# Allegro board MinnowMax_RevA1.brd (continued)
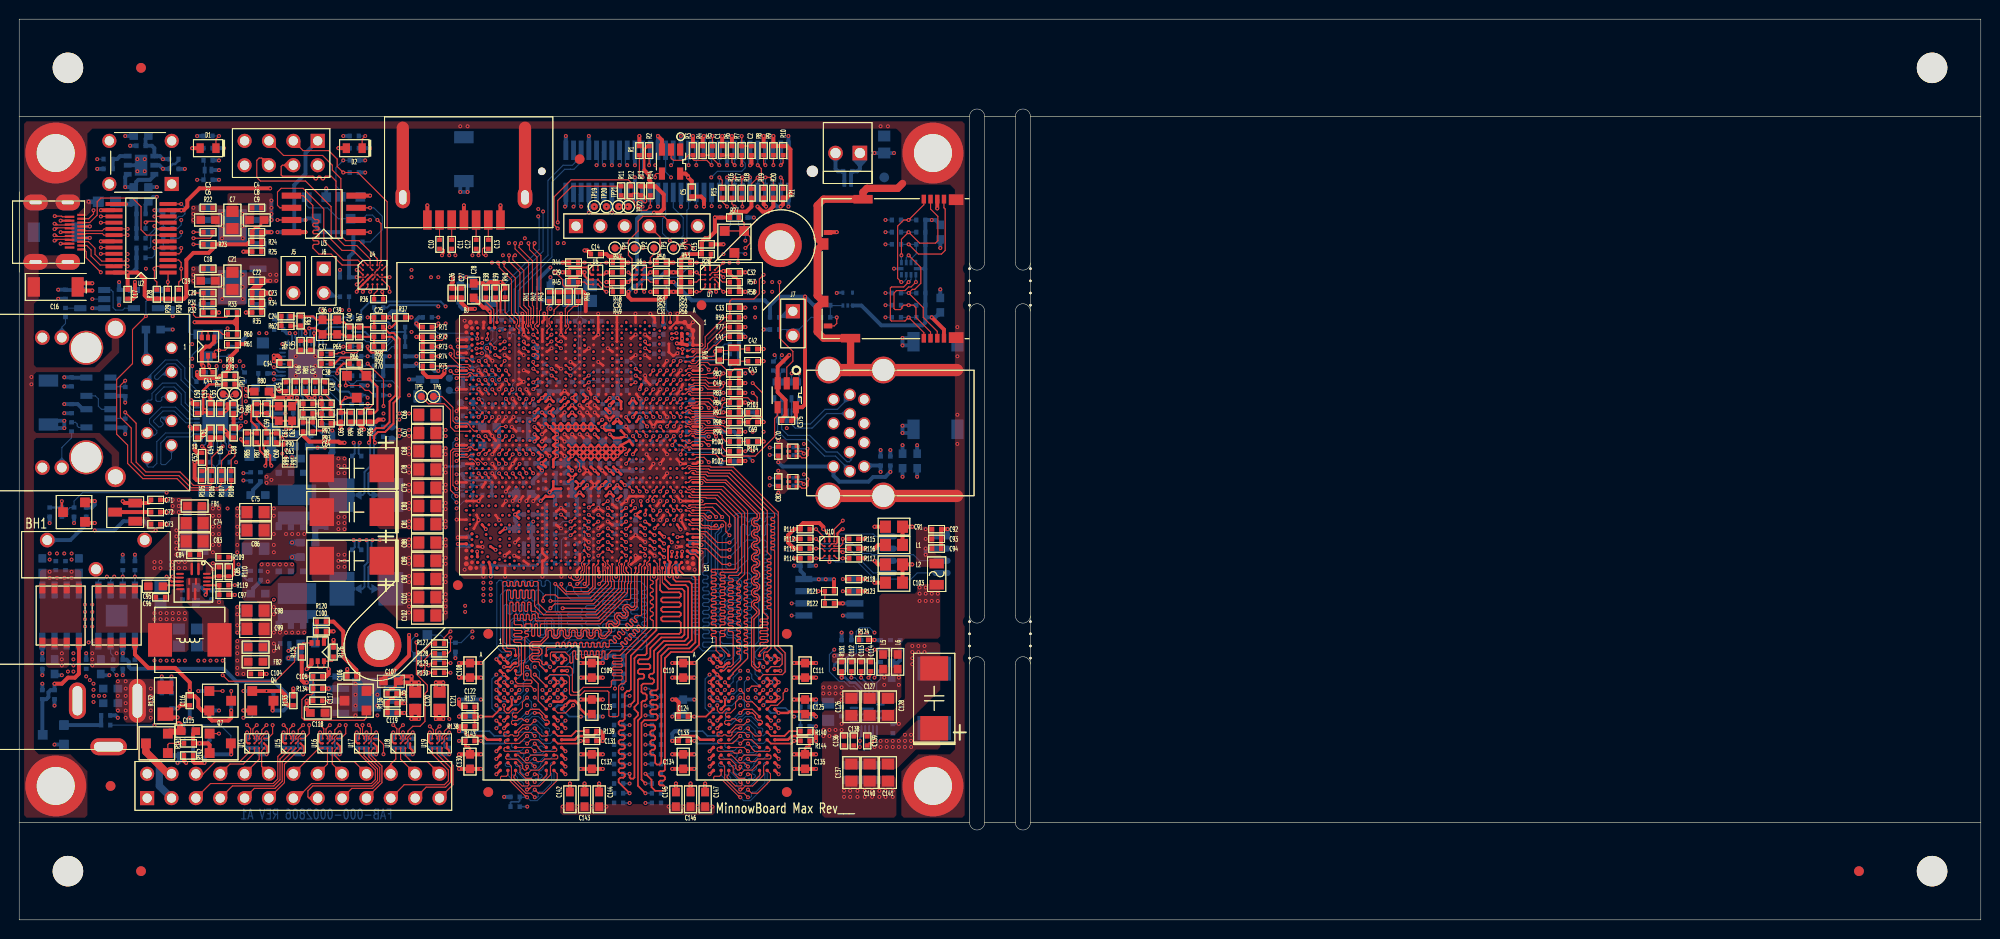
[diagram p0: board, top side]
## Routing (per net, layer and track width the routed paths; a pad name or vN(x,y) marks a point on that pad's centre or on a via; arc(x,y) is an arc through that point) (continued)
PMC_RSTBTN: length 50
  TOP w0.102: 45.09,59.69 45.34,59.44 45.34,58.8 45.52,58.62 46.79,58.62 47.18,58.23 CPU1.BG9
  TOP w0.114: C1.1 R6.1 74.3,79.03 v1(74.58,78.74) ; 45.09,59.69 v1(44.96,59.82)
  INT8(V) w0.102: v1(74.58,78.74) 73.31,80.01 59.94,80.01 55.37,75.44 55.37,73.41 54.1,72.14 52.07,72.14 48.89,68.96 48.89,66.42 44.96,62.48 v1(44.96,59.82)
  BOTTOM w0.114: J10.46 v1(74.58,78.74)
PMC_SLP_S0IX: length 2.8
  TOP w0.114: v1(68.24,54.37) CPU1.F18
  BOTTOM w0.102: TP10.1 69.47,54.1 69.22,53.85 68.76,53.85 v1(68.24,54.37)
PMC_SLP_S3_L: length 22
  TOP w0.114: U7.A3 72.51,67.81 72.9,68.19 73.02,68.19 v1(73.41,68.58) ; CPU1.D22 v1(68.24,51.47)
  INT8(V) w0.102: v1(73.41,68.58) 73.79,68.2 73.79,66.67 73,65.89 73,57.25 72.77,57.02 72.52,57.02 72.14,56.64 72.14,55.5 70.36,53.72 70.36,52.7 69.47,51.82 68.58,51.82 v1(68.24,51.47)
PMC_SLP_S4_L: length 21.2
  TOP w0.114: v1(73.41,67.06) 73.16,67.31 U7.B3 ; CPU1.F22 v1(67.53,51.47)
  INT8(V) w0.102: v1(73.41,67.06) 72.64,67.06 71.67,66.08 71.67,62.57 72.29,61.95 72.29,57.29 71.75,56.76 71.75,55.52 69.98,53.74 69.98,52.83 69.22,52.07 68.12,52.07 v1(67.53,51.47)
PMC_SUSCLK0: length 22.1
  TOP w0.114: U7.C3 72.88,66.44 72.88,66.06 v1(73.41,65.53) R58.1 ; v1(66.82,51.47) CPU1.G24
  INT8(V) w0.102: v1(66.82,51.47) 67.24,51.05 69.22,51.05 70.74,52.58 70.74,53.59 73.05,55.91 73.05,56.15 73.91,57.02 73.91,65.02 v1(73.41,65.53)
PS3_BST: length 2.2
  TOP w0.203: v1(19.43,33.91) 19.56,34.04 U13.10
  BOTTOM w0.406: v1(19.43,33.91) 19.43,34.26 19.02,34.67 R291.1
PS3_EN: length 5.2
  TOP w0.203: R109.1 22.15,37.85 22.4,37.59 22.4,36.05 22.2,35.85 R110.2 C85.1 20.32,35.85 20.18,35.71 U13.13
PS3_LDO: length 1.8
  TOP w0.203: U13.6 15.09,34.91 C95.2
PS3_VCC: length 2.3
  TOP w0.203: U13.11 20.84,34.91 R119.2 C97.1
PS3VSB_PHASE: length 1.9
  BOTTOM w0.406: v1(20.83,33.15) 20.83,34.16 20.61,34.38 C306.1
PS5VSB_VIN:
  vias: v1(20.19,42.93) v1(20.19,42.16) v1(20.19,41.02) v1(20.19,40.26) v1(20.19,39.12) v1(20.19,38.35) v1(20.83,42.93) v1(20.83,42.16) v1(20.83,41.02) v1(20.83,40.26) v1(20.83,39.12)
PS_OUT_L: length 92.9
  INT3(V) w0.102: v1(10.79,35.81) 11.43,36.45 11.43,42.29 16.89,47.75 16.89,58.93 v1(18.03,60.07)
  INT7(H) w0.102: v1(75.69,69.47) 75.31,69.09 75.31,67.69 73.79,66.17 70.48,66.17 69.22,64.9 39.75,64.9 38.48,63.63 35.81,63.63 35.43,63.25 24.38,63.25 23.88,62.74 20.7,62.74 v1(18.03,60.07)
  BOTTOM w0.114: U35.7 v1(10.79,35.81) R289.1 ; D10.3 75.56,69.6 v1(75.69,69.47)
PSGOOD: length 5.3
  TOP w0.114: Q1.2 19.68,57.91 v1(19.81,57.78) 19.81,57.51 20.16,57.16 C44.2
  BOTTOM w0.114: v1(19.81,57.78) 19.68,57.91 D11.3 21.94,58.8 R206.1
PSPUP: length 4.2
  TOP w0.114: 19.68,61.47 19.18,61.47 19.03,61.33 Q1.6 ; 19.68,61.47 Q1.5 ; 19.68,61.47 20.83,61.47 21.21,61.09 R60.2
PWM0: length 2.9
  TOP w0.114: U18.A1 39.25,16.78 38.73,16.26 JP1.22
PWM1: length 3.3
  TOP w0.114: JP1.24 39.76,16.76 U18.B1
PWR_BUF1: length 1.7
  TOP w0.203: R26.1 72.1,69.02 72.01,68.92 U7.A2
PWR_LEDR: length 2.1
  TOP w0.114: D1.1 20.51,81.47 v1(20.83,81.79)
  BOTTOM w0.114: R148.2 v1(20.83,81.79)
RC: length 1.9
  BOTTOM w0.406: R290.1 24.38,34.29 24.38,34.58 25.15,35.34 C296.2
RC_ENB: length 2
  TOP w0.406: 15.24,21.46 15.59,21.12 v1(16.51,21.12)
  BOTTOM w0.406: v1(16.51,21.12) C338.2
RCG: length 1.9
  BOTTOM w0.406: C270.2 25.15,45.63 24.38,44.86 24.38,44.58 R271.1
RESERVED_VSS6: length 10.3
  TOP w0.102: CPU1.BB5 v1(50.61,60.35)
  TOP w0.114: R72.1 43.4,60.45 44.07,60.45 v1(44.45,60.83)
  INT4(H) w0.102: v1(44.45,60.83) 45.1,60.19 46.24,60.19 47.64,58.78 48.62,58.78 49.2,59.36 49.2,59.87 49.68,60.35 v1(50.61,60.35)
RESERVED_VSS7: length 10.5
  TOP w0.114: CPU1.BB7 v1(50.61,59.64)
  INT4(H) w0.102: v1(43.69,60.83) 44.32,60.2 44.32,59.82 44.69,59.45 45.96,59.45 47.42,57.99 49.47,57.99 50.04,58.56 50.04,59.08 50.6,59.64 v1(50.61,59.64)
  BOTTOM w0.114: R192.1 v1(43.69,60.83)
RTCRST_L: length 93.7
  TOP w0.102: 71.75,57.02 71.63,56.9 70.18,56.9 69.97,57.11 69.73,57.11 69.44,56.82 CPU1.C12
  TOP w0.114: v1(72.64,57.47) 72.19,57.02 71.75,57.02
  INT4(H) w0.102: v1(15.37,44.58) 20.19,44.58 21.62,46 21.62,50.19 22.1,50.67 22.1,52.75 22.73,53.39 22.73,56.01 25.4,58.67 25.4,62.1 27.56,64.26 32.38,64.26 36.32,60.33 37.59,60.33 42.03,55.88 51.31,55.88 52.2,56.77 53.98,56.77 55.08,57.87 60.51,57.87 72.24,57.87 v1(72.64,57.47)
  BOTTOM w0.114: R279.2 4.83,42.07 5.08,42.32 5.08,42.8 5.3,43.02 C285.2 5.71,43.69 6.6,44.58 v1(15.37,44.58)
S5_ENBL: length 7
  TOP w0.406: Q4.B v1(25.78,23.88) 27.3,23.88 27.69,23.5 27.69,22.73 28.03,22.39 R133.2
  BOTTOM w0.406: Q10.D 26.5,23.66 26.29,23.88 v1(25.78,23.88)
S5_SEL: length 1.9
  BOTTOM w0.114: R307.1 U35.1
SATA0_RXN: length 18.1
  TOP w0.102: v1(47.88,69.34) 47.88,69.76 C12.2 ; CPU1.AV16 v1(52.16,54.37)
  INT3(V) w0.099: v1(47.88,69.34) 47.88,67.25 50.29,64.83 50.29,62.86 51.75,61.41 51.75,54.78 v1(52.16,54.37)
SATA0_RXN_C: length 2.1
  TOP w0.102: J3.5 C12.1
SATA0_RXP: length 18.1
  TOP w0.102: C13.2 48.8,70.1 48.39,70.1 48.29,70 48.29,69.44 48.39,69.34 v1(48.64,69.34) ; v1(52.18,55.36) CPU1.AU16
  INT3(V) w0.099: v1(48.64,69.34) 48.38,69.34 48.28,69.24 48.28,67.41 50.7,65 50.7,63.03 52.15,61.57 52.15,55.39 v1(52.18,55.36)
SATA0_RXP_C: length 2.1
  TOP w0.102: 48.9,73.03 C13.1
SATA0_TXN: length 12.9
  TOP w0.102: v1(44.83,69.34) 44.83,69.76 C11.2 ; CPU1.BG7 v1(48.23,59.12)
  INT3(V) w0.099: v1(44.83,69.34) 44.83,66.93 46.8,64.96 46.8,63.31 47.41,62.7 47.41,60.49 48.23,59.67 v1(48.23,59.12)
SATA0_TXN_C: length 2.1
  TOP w0.102: J3.3 C11.1
SATA0_TXP: length 13
  TOP w0.102: C10.2 44.22,70.01 44.32,69.91 44.32,69.6 v1(44.07,69.34) ; CPU1.BF6 v1(47.66,59.6)
  INT3(V) w0.099: v1(44.07,69.34) 44.43,68.98 44.43,66.76 46.4,64.79 46.4,63.14 47.01,62.53 47.01,60.32 47.71,59.62 47.69,59.6 v1(47.66,59.6)
SATA0_TXP_C: length 2.1
  TOP w0.102: J3.2 C10.1
SATA1_RXN: length 8.6
  TOP w0.102: CPU1.BA16 v1(50.73,55.36)
  BOTTOM w0.102: v1(50.73,55.36) 51.14,54.95 51.58,54.95 51.83,55.2 51.83,55.7 52.1,55.97 52.1,61.4 C177.2
SATA1_RXP: length 8.5
  TOP w0.102: v1(51.41,55.36) CPU1.AY16
  BOTTOM w0.102: C178.2 50.93,61.25 50.93,60.83 51.03,60.73 51.21,60.73 51.31,60.83 51.31,61.06 51.41,61.17 51.59,61.17 51.69,61.07 51.69,56.13 51.42,55.87 51.42,55.37 v1(51.41,55.36)
SATA1_TXN: length 4.9
  TOP w0.102: CPU1.BF10 v1(47.9,58.33)
  BOTTOM w0.102: C180.2 49.38,61.53 49.38,60.62 48.8,60.05 48.62,60.05 48.41,59.84 48.41,59.54 48.64,59.31 48.64,59.03 47.94,58.33 v1(47.9,58.33)
SATA1_TXP: length 5
  TOP w0.102: CPU1.BD10 v1(48.61,58.33)
  BOTTOM w0.102: C179.2 50.2,61.72 49.91,61.72 49.78,61.59 49.78,60.45 49.15,59.82 49.15,59.44 49.05,59.33 49.05,58.86 48.64,58.46 48.64,58.36 v1(48.61,58.33)
SATA_GP0: length 4.1
  TOP w0.114: CPU1.BA12 v1(50.02,56.35)
  BOTTOM w0.102: R220.2 47.4,56.71 48.71,56.71 48.99,56.99 49.69,56.99 50.02,56.66 v1(50.02,56.35)
SATA_GP1: length 5.5
  TOP w0.114: CPU1.AY14 v1(50.73,56.35)
  BOTTOM w0.102: R221.2 47.34,55.63 47.62,55.63 47.88,55.88 48.77,55.88 48.96,56.07 48.96,56.5 49.16,56.71 49.46,56.71 49.67,56.5 49.67,56.2 49.88,56 50.38,56 v1(50.73,56.35)
SATA_LED_B: length 21.5
  TOP w0.114: CPU1.AY12 v1(50.73,57.34)
  INT4(H) w0.102: v1(50.73,57.34) 50.73,57.34 50.09,56.69 46.18,56.69 45.97,56.9 41.7,56.9 37.64,60.96 37.05,60.96 v1(34.38,63.63)
  BOTTOM w0.114: v1(34.38,63.63) R179.1
SATA_LED_R: length 1.8
  BOTTOM w0.114: R179.2 32.13,65.02 J6.2
SATA_RCOMP_N: length 1.3
  TOP w0.102: CPU1.AT18 v1(53.58,54.37)
  BOTTOM w0.102: R239.1 53.58,53.83 v1(53.58,54.37)
SATA_RCOMP_P: length 1.3
  TOP w0.102: CPU1.AU18 v1(52.87,54.37)
  BOTTOM w0.102: R239.2 52.87,53.85 v1(52.87,54.37)
SCLK: length 3
  BOTTOM w0.114: R228.2 33.49,57.98 U27.5
SD3_1P8EN: length 3.9
  TOP w0.114: CPU1.BF22 v1(48.64,52.46)
  BOTTOM w0.114: TP12.1 46.74,53.21 47.5,53.21 47.88,52.83 48.26,52.83 48.63,52.46 v1(48.64,52.46)
SD3_CD#: length 45.9
  TOP w0.102: CPU1.BC24 50.16,51.47 v1(50.73,51.47)
  TOP w0.114: P2.10 84.96,61.97 85.22,62.23 v1(85.22,62.86)
  INT4(H) w0.102: v1(50.73,51.47) 51.2,51.94 51.69,51.94 53.85,54.1 55.63,54.1 56.4,54.87 61.35,54.87 61.47,54.99 72.9,54.99 73.24,55.33 76.54,55.33 76.83,55.63 76.83,56.52 78.74,58.42 80.52,58.42 84.96,62.86 v1(85.22,62.86)
  BOTTOM w0.114: U23.3 84.59,64.09 R182.2 R354.2 v1(85.22,62.86)
SD3_CLK: length 55.7
  TOP w0.114: CPU1.AY26 v1(51.45,50.48)
  INT4(H) w0.102: v1(51.45,50.48) 51.82,50.85 51.82,51.56 53.59,53.34 55.5,53.34 56.26,54.1 62.61,54.1 63.22,54.71 71.65,54.71 72.35,54.01 74.59,54.01 75.18,54.61 76.58,54.61 77.09,55.12 77.09,56.26 78.99,58.17 80.64,58.17 84.58,62.1 85.22,62.1 86.36,63.25 86.36,66.98 88.3,68.92 90.32,68.92 90.42,69.02 90.42,69.17 90.32,69.27 89.76,69.27 89.66,69.38 89.66,69.53 89.76,69.63 90.32,69.63 90.42,69.73 90.42,69.88 90.32,69.99 89.76,69.99 89.66,70.09 89.66,70.38 89.76,70.48 v1(90.3,70.48)
  BOTTOM w0.114: R160.2 v1(90.3,70.48)
SD3_CLK_R: length 13.5
  TOP w0.114: P2.5 96.4,74.3 96.52,74.17 96.52,69.85 96.14,69.47 93.73,69.47 v1(92.71,70.48)
  BOTTOM w0.114: R160.1 v1(92.71,70.48) R157.1 93.51,69.5 92.96,68.96 U22.8
SD3_CMD: length 55.8
  TOP w0.114: CPU1.AV28 v1(52.16,48.58)
  INT4(H) w0.102: v1(90.3,65.41) 89.64,65.41 89.53,65.51 89.53,67.56 89.65,67.68 90.7,67.68 90.81,67.58 90.81,63.88 90.42,63.5 87.76,63.5 85.6,61.34 84.58,61.34 80.98,57.73 79.58,57.73 77.52,55.68 77.52,54.41 76.45,53.34 73.15,53.34 72.64,52.83 63.75,52.83 63.6,52.68 63.6,52.32 62.34,51.05 53.47,51.05 52.96,50.55 52.96,49.78 52.16,48.98 v1(52.16,48.58)
  BOTTOM w0.114: R175.2 v1(90.3,65.41)
SD3_CMD_R: length 13.5
  TOP w0.114: P2.3 95.7,61.4 94.23,62.86 94.23,63.88 v1(92.71,65.41) 93.09,65.79 93.34,65.79 93.98,66.42 93.98,68.07 v1(92.71,69.34)
  BOTTOM w0.114: v1(92.71,69.34) 92.46,69.09 U22.7 ; R175.1 v1(92.71,65.41) R173.1
SD3_D0: length 56.6
  TOP w0.114: CPU1.AT28 v1(53.58,48.58)
  INT4(H) w0.102: v1(53.58,48.58) 53.58,49.13 53.94,49.49 57.11,49.49 57.53,49.91 64.77,49.91 65.03,50.17 65.03,50.67 65.47,51.12 71.95,51.12 72.39,51.56 75.69,51.56 77.98,53.85 77.98,55.12 79.38,56.52 81.27,56.52 81.64,56.88 81.64,57.63 84.58,60.58 89.66,60.58 91.57,62.48 91.57,70.48 v1(90.3,71.75)
  BOTTOM w0.114: R159.2 v1(90.3,71.75)
SD3_D0_R: length 13.4
  TOP w0.114: P2.7 95,74.17 95.76,73.41 95.76,70.87 95.5,70.61 93.85,70.61 v1(92.71,71.75) 91.96,71 v1(91.96,69.33)
  BOTTOM w0.114: R159.1 v1(92.71,71.75) R156.1 ; U22.6 v1(91.96,69.33)
SD3_D1: length 56.2
  TOP w0.114: v1(48.6,50.48) 49.02,50.05 CPU1.BD26
  INT4(H) w0.102: v1(48.6,50.48) 50.37,52.25 50.37,52.65 51.81,54.1 51.81,54.51 52.01,54.71 54.08,54.71 55.1,55.74 71.52,55.74 71.59,55.66 74.21,55.66 75.06,56.52 76.47,56.52 76.83,56.88 76.83,58.17 78.49,59.82 81.53,59.82 85.98,64.26 85.98,68.71 v1(90.3,73.03)
  BOTTOM w0.114: R158.2 v1(90.3,73.03)
SD3_D1_R: length 12.9
  TOP w0.114: P2.8 94.3,74.61 v1(92.71,73.03) 92.2,73.03 91.57,72.39 91.57,66.93 v1(91.95,66.55)
  BOTTOM w0.114: v1(91.95,66.55) 92.17,66.55 92.46,66.84 U22.3 ; R158.1 v1(92.71,73.03) R155.1
SD3_D2: length 56.4
  TOP w0.114: CPU1.AU28 v1(52.87,48.58)
  INT4(H) w0.102: v1(52.87,48.58) 52.87,49.06 53.34,49.53 53.34,50.02 53.61,50.29 62.48,50.29 63.02,50.83 63.53,50.83 64.77,52.07 71.12,52.07 71.5,52.45 76.07,52.45 77.74,54.11 77.74,55.38 79.87,57.52 81.14,57.52 84.58,60.96 87.28,60.96 87.38,61.06 87.38,62.51 87.48,62.61 87.63,62.61 87.74,62.51 87.74,61.06 87.84,60.96 87.99,60.96 88.09,61.06 88.09,62.51 88.19,62.61 88.35,62.61 88.45,62.51 88.45,61.06 88.55,60.96 88.78,60.96 88.88,61.06 88.88,62.51 88.98,62.61 89.13,62.61 89.24,62.51 89.24,61.06 89.34,60.96 89.53,60.96 90.81,62.23 90.81,62.76 90.7,62.86 v1(90.3,62.86)
  BOTTOM w0.114: R181.2 v1(90.3,62.86)
SD3_D2_R: length 12.9
  TOP w0.114: P2.1 94.3,61.28 v1(92.71,62.86) 92.33,62.48 90.92,62.48 90.81,62.6 90.81,65.93 90.92,66.04 92.2,66.04 v1(92.71,66.55)
  BOTTOM w0.114: R180.1 v1(92.71,62.86) R181.1 ; v1(92.71,66.55) 92.96,66.8 U22.2
SD3_D3: length 55.9
  TOP w0.114: v1(50.73,50.48) CPU1.BA26
  INT4(H) w0.102: v1(50.73,50.48) 51.18,50.04 51.69,50.04 52.2,50.55 52.2,51.44 53.34,52.58 60.07,52.58 60.09,52.6 60.13,52.6 60.33,52.8 60.33,52.84 60.85,53.36 62.63,53.36 63.3,54.03 71.96,54.03 72.22,53.76 74.71,53.76 75.35,54.39 76.67,54.39 77.3,55.03 77.3,55.97 79.29,57.95 80.81,57.95 84.58,61.72 85.47,61.72 86.74,62.99 86.74,66.29 86.87,66.42 87.15,66.42 87.25,66.32 87.25,65.05 87.35,64.95 87.63,64.95 87.73,65.05 87.73,66.32 87.83,66.42 88.11,66.42 88.21,66.32 88.21,64.24 88.32,64.14 v1(90.3,64.14)
  BOTTOM w0.114: R176.2 v1(90.3,64.14)
SD3_D3_R: length 13.3
  TOP w0.114: P2.2 95,61.34 93.47,62.86 93.47,63.88 93.22,64.14 v1(92.71,64.14) 92.2,64.14 92.01,63.94 92.01,63.82 91.87,63.67 91.3,63.67 91.19,63.79 91.19,65.41 91.44,65.66 92.33,65.66 92.71,66.04 92.96,66.04 v1(93.47,66.55)
  BOTTOM w0.114: R176.1 v1(92.71,64.14) R174.1 ; U22.1 93.46,66.56 v1(93.47,66.55)
SD3_PU: length 1.7
  BOTTOM w0.114: R183.2 80.01,62.86 J7.1
SD3_RCOMP: length 2.2
  TOP w0.114: CPU1.BF26 v1(47.89,50.48)
  BOTTOM w0.102: R258.2 47.21,50.26 47.43,50.48 v1(47.89,50.48)
SD3_WP: length 38.7
  TOP w0.114: v1(49.62,59.64) CPU1.BD5
  INT4(H) w0.102: J7.2 77.72,60.96 75.55,58.78 67.08,58.78 65.86,59.99 49.97,59.99 v1(49.62,59.64)
  BOTTOM w0.114: R354.1 82.55,62.86 J7.2 80.01,61.59 R184.2
SI0_I2C5_SCL: length 8.7
  TOP w0.102: 45.09,44.7 v1(45.59,44.2)
  TOP w0.114: 45.09,44.7 44.96,44.83 44.96,48.89 45.21,49.15 46.68,49.15 46.87,49.34 47.11,49.34 47.4,49.05 CPU1.BG28
  BOTTOM w0.102: R270.1 45.72,44.32 v1(45.59,44.2)
SI0_I2C5_SDA: length 6.7
  TOP w0.102: CPU1.BH28 46.84,48.89 45.34,48.89 45.21,48.77 45.21,45.34 v1(45.59,44.96)
  BOTTOM w0.102: R269.1 46.13,45.21 45.85,45.21 v1(45.59,44.96)
SI0_I2C6_SCL: length 43.8
  TOP w0.102: v1(45.59,47.88) 45.98,48.27 46.76,48.27 47.05,48.56 CPU1.BG29
  TOP w0.114: v1(56.13,72.14) 55.75,72.52 55.75,75.44 57.53,77.22 63.5,77.22 63.75,76.96 R12.1
  INT8(V) w0.102: v1(45.59,47.88) 45.09,48.39 45.09,53.85 46.1,54.86 46.1,61.7 54.74,70.34 54.74,70.74 v1(56.13,72.14)
SI0_I2C6_SDA: length 39.5
  TOP w0.102: CPU1.BJ29 45.64,48.56 v1(45.59,48.51)
  TOP w0.114: R11.1 57.62,76.55 56.13,75.06 v1(56.13,72.77)
  INT8(V) w0.102: v1(56.13,72.77) 56.52,72.39 56.52,71.88 55.12,70.48 55.12,70.1 46.48,61.47 46.48,49.4 v1(45.59,48.51)
SIO_I2C1_SCL: length 7.6
  TOP w0.114: TP5.1 42.67,53.85 44.31,53.85 44.96,53.2 44.96,51.43 45.41,50.99 CPU1.BH24
SIO_I2C1_SDA: length 6.9
  TOP w0.102: 45.09,53.59 45.21,53.47 45.21,52.07 45.47,51.82 46.7,51.82 46.99,51.53 46.99,51.42 47.43,50.99 CPU1.BG24
  TOP w0.114: TP6.1 44.07,54.61 45.09,53.59
SIO_OE: length 2.1
  TOP w0.089: U14.C2 25.26,18.66 25.26,19.04
  TOP w0.114: 25.26,19.04 v1(25.78,19.56)
  BOTTOM w0.114: R339.2 v1(25.78,19.56)
SIO_SPI_CLK: length 6.6
  TOP w0.114: JP1.11 27.65,14.31 27.65,16.24 U15.D1
SIO_SPI_CS1: length 12.9
  TOP w0.114: JP1.5 19.94,14.22 26.47,14.22 26.96,14.71 26.96,17.05 U15.A1
SIO_SPI_MISO: length 10.8
  TOP w0.114: 28.33,17.92 27.18,16.77 27.18,14.61 26.54,13.97 22.23,13.97 JP1.7
SIO_SPI_MOSI: length 8.7
  TOP w0.114: JP1.9 24.51,13.72 26.67,13.72 27.42,14.47 27.42,16.51 U15.C1
SIO_UART1_CTSB: length 50.8
  TOP w0.114: U14.C3 25.02,19.13 25.27,19.39 25.27,19.81 v1(25.78,20.32) ; CPU1.AY34 v1(50.73,46.6)
  INT8(V) w0.102: v1(50.73,46.6) 50.73,46.29 48.26,43.81 48.26,39.62 47.95,39.32 47.95,38.77 48.13,38.59 48.13,37.47 47.75,37.08 47.75,29.46 46.23,27.94 46.23,26.16 43.05,22.99 39.88,22.99 37.85,20.95 37.85,19.3 37.21,18.67 28.96,18.67 28.19,19.43 28.19,19.99 28.07,20.12 28.07,20.45 27.81,20.7 26.16,20.7 v1(25.78,20.32)
SIO_UART1_RTSB: length 52.3
  TOP w0.114: v1(26.42,20.32) 26.42,19.43 25.9,18.91 U14.D3 ; CPU1.BA34 v1(50.02,46.6)
  INT3(V) w0.102: v1(26.42,20.32) 26.42,19.3 27.56,18.16 39.24,18.16 40.51,19.43 40.51,22.48 43.56,25.53 43.56,39.37 44.39,40.2 45.02,40.2 47.24,42.42 47.24,46.61 47.75,47.12 49.5,47.12 v1(50.02,46.6)
SIO_UART1_RXD: length 53.7
  TOP w0.114: CPU1.AU34 v1(52.16,46.6) ; U14.B3 24.52,19.13 24.36,19.29 24.36,19.91 v1(24.77,20.32)
  INT8(V) w0.102: v1(52.16,46.6) 52.16,45.81 51.08,44.73 51.08,42.19 49.53,40.64 49.53,39.24 49.28,38.99 49.28,37.47 49.53,37.21 49.53,30.1 46.99,27.56 46.99,25.02 44.2,22.23 41.27,22.23 40.26,21.21 39.24,21.21 38.61,20.57 38.61,18.92 37.59,17.91 26.42,17.91 25.15,19.18 25.15,19.81 24.77,20.19 v1(24.77,20.32)
SIO_UART1_TXD: length 54.3
  TOP w0.114: CPU1.AV34 v1(51.45,46.6) ; U14.A3 24.01,19.29 24.13,19.4 24.13,19.94 v1(23.75,20.32)
  INT8(V) w0.102: v1(23.75,20.32) 24.13,20.7 25.02,20.7 25.27,20.45 25.27,20.07 25.4,19.94 25.4,19.3 26.54,18.16 37.46,18.16 38.35,19.05 38.35,20.7 39.62,21.97 40.64,21.97 41.15,22.48 44.07,22.48 46.74,25.15 46.74,27.69 48.77,29.72 48.77,37.34 49.02,37.59 49.02,39.12 49.28,39.37 49.28,43.81 51.45,45.98 v1(51.45,46.6)
SIO_UART2_RXD: length 37.3
  TOP w0.114: v1(37.97,17.27) 37.97,18.29 37.35,18.91 U17.D3 ; CPU1.BF34 v1(47.89,46.6)
  INT3(V) w0.102: v1(37.97,17.27) 39.37,17.27 41.4,19.3 41.4,20.45 41.27,20.57 41.27,21.97 43.81,24.51 43.81,33.91 44.83,34.92 44.83,39.62 47.5,42.29 47.5,46.2 v1(47.89,46.6)
SIO_UART2_TXD: length 47.2
  TOP w0.114: v1(36.45,20.32) 36.7,20.07 36.7,19.39 36.45,19.13 U17.C3 ; CPU1.BD34 v1(48.6,46.6)
  INT3(V) w0.102: v1(48.6,46.6) 49.1,46.1 51.56,46.1 51.81,46.35 51.81,48.77 51.56,49.02 47.62,49.02 46.74,48.13 46.74,42.8 46.1,42.16 44.32,42.16 43.05,40.89 43.05,28.57 38.1,23.62 38.1,21.34 37.08,20.32 v1(36.45,20.32)
SLP_S3_L: length 184.4
  TOP w0.114: Q7.G v1(20.83,19.43) ; R53.2 v1(70.61,68.58) 70.99,68.58 71.51,68.06 U7.A1
  INT4(H) w0.102: v1(78.49,66.55) 78.49,67.06 77.34,68.2 70.99,68.2 v1(70.61,68.58)
  INT7(H) w0.102: v1(89.15,29.97) 87.88,28.7 84.07,28.7 83.06,27.69 49.53,27.69 45.34,23.5 45.34,19.43 42.67,16.76 21.59,16.76 20.83,17.53 v1(20.83,19.43)
  INT8(V) w0.102: v1(78.49,66.55) 79.12,65.91 79.12,58.42 78.55,57.85 78.55,43.62 80.39,41.78 80.39,36.32 85.6,31.11 88.01,31.11 v1(89.15,29.97) ; v1(20.83,19.43) 18.29,21.97 18.29,45.34 17.14,46.48 17.14,57.66 v1(18.03,58.55)
  BOTTOM w0.114: D11.2 20.7,60.33 20.32,59.94 19.05,59.94 18.03,58.93 v1(18.03,58.55) ; R302.1 86.74,27.3 87.25,27.81 87.25,30.1 87.63,30.48 88.65,30.48 v1(89.15,29.97)
SLP_S4_L: length 140.8
  TOP w0.114: R54.2 v1(70.61,67.56) 70.87,67.31 U7.B1
  INT4(H) w0.102: v1(78.49,65.53) 77.98,66.04 77.98,66.69 77.74,66.93 75.56,66.93 75.35,66.71 71.46,66.71 v1(70.61,67.56)
  INT7(H) w0.102: v1(7.24,28.96) 8.26,28.96 10.54,26.67 35.18,26.67 35.81,26.04 39.62,26.04 41.78,28.19 82.8,28.19 83.69,29.08 87.5,29.08 v1(88.39,29.97)
  INT8(V) w0.102: v1(78.49,65.53) 78.23,65.28 78.23,49.91 77.85,49.53 77.85,43.69 80.01,41.53 80.01,36.07 85.47,30.61 87.76,30.61 v1(88.39,29.97)
  BOTTOM w0.114: U35.4 8.13,28.96 v1(7.24,28.96) ; R300.1 88.77,29.59 v1(88.39,29.97)
SM_VREF_CA1_A: length 19.4
  TOP w0.173: MEM2.M8 78.37,18.39 80.49,18.39 v1(80.77,18.67) R144.2 ; C133.1 v1(70.36,18.67)
  INT3(V) w0.157: v1(80.77,18.67) 80.65,18.79 70.48,18.79 v1(70.36,18.67)
  BOTTOM w0.173: R144.2 v1(80.77,18.67) ; C133.1 v1(70.36,18.67) 70.64,18.39 72.76,18.39 MEM3.M8
SM_VREF_CA2_A: length 19.4
  TOP w0.173: R143.2 v1(48.13,18.67) ; MEM1.M8 56.14,18.39 58.27,18.39 v1(58.55,18.67) C131.1
  INT3(V) w0.157: v1(48.13,18.67) 48.25,18.79 58.43,18.79 v1(58.55,18.67)
  BOTTOM w0.173: C131.1 v1(58.55,18.67) ; MEM4.M8 50.54,18.39 48.41,18.39 v1(48.13,18.67) R143.2
SM_VREF_DQ1_A: length 20.3
  TOP w0.173: C124.1 v1(70.36,21.21) 71.58,21.21 MEM2.H1
  INT3(V) w0.157: v1(80.77,21.21) 80.77,20.83 79.53,19.58 71.6,19.58 70.36,20.83 v1(70.36,21.21)
  BOTTOM w0.173: MEM3.H1 78.87,22.1 79.88,22.1 v1(80.77,21.21) R310.2 ; R325.2 R310.2 ; R310.2 C329.1
SM_VREF_DQ2_A: length 20.2
  TOP w0.173: MEM1.H1 49.36,21.21 v1(48.13,21.21) R137.2 ; R137.2 R138.2 ; R137.2 C122.1
  INT3(V) w0.157: v1(48.13,21.21) 48.13,20.83 49.38,19.58 57.3,19.58 58.55,20.83 v1(58.55,21.21)
  BOTTOM w0.173: C332.1 v1(58.55,21.21) 57.32,21.21 MEM4.H1
SOC_GPIO_S5_0: length 58.4
  TOP w0.114: v1(42.8,20.19) 43.18,19.81 43.18,19.4 43.06,19.29 U19.A3 ; v1(72.64,53.42) 72.44,53.42 71.81,54.05 70.56,54.05 70.43,53.92 69.87,53.92 CPU1.B18
  INT8(V) w0.102: v1(72.64,53.42) 72.64,51.69 68.96,48.01 67.82,48.01 65.02,45.21 65.02,44.84 65.03,44.83 65.03,44.45 64.77,44.2 63.88,44.2 63.63,43.94 63.63,43.56 63.41,43.35 63.03,43.35 62.32,42.64 60.25,42.64 59.52,41.91 56.26,41.91 51.31,36.96 51.31,29.97 48.77,27.43 48.77,24.13 47.37,22.73 47.37,20.7 45.85,19.18 45.59,19.18 45.21,18.8 43.94,18.8 43.18,19.56 43.18,19.81 v1(42.8,20.19)
SOC_GPIO_S5_1: length 58.1
  TOP w0.102: CPU1.B16 69.99,54.74 71.75,54.74
  TOP w0.114: v1(43.81,20.19) 43.41,19.79 43.41,19.29 43.57,19.13 43.57,18.91 ; 71.75,54.74 72.26,54.74 v1(72.64,54.36)
  INT8(V) w0.102: v1(43.81,20.19) 44.2,19.81 44.2,19.43 44.41,19.22 45.12,19.22 45.34,19.43 45.34,20.07 46.99,21.72 46.99,22.73 48.51,24.26 48.51,27.56 50.99,30.04 50.99,37.15 51.18,37.34 51.18,38.23 55.59,42.64 59.53,42.64 60.21,43.32 62.5,43.32 62.87,43.69 62.87,44.07 65.53,46.74 65.53,47.5 67.06,49.02 69.47,49.02 72.26,51.82 72.26,53.97 v1(72.64,54.36)
SOC_GPIO_S5_2: length 60.8
  TOP w0.102: v1(68.95,53.42) 68.95,53.42 CPU1.C18
  TOP w0.114: U19.C3 44.06,19.13 44.32,19.39 44.32,19.69 v1(44.83,20.19)
  INT8(V) w0.102: v1(44.83,20.19) 45.34,20.7 45.34,21.46 47.75,23.88 47.75,27.18 50.29,29.72 50.29,36.96 50.95,37.62 50.95,39.65 54.02,42.71 54.02,48.43 54.36,48.77 54.99,48.77 55.72,49.5 55.72,53.88 56.64,54.8 60.52,54.8 61.21,54.1 61.85,54.1 62.74,53.21 62.74,50.42 63.25,49.91 66.07,49.91 66.45,50.29 66.45,52.3 66.46,52.32 66.46,52.62 66.93,53.09 68.62,53.09 v1(68.95,53.42)
SOC_PWM0: length 36.4
  TOP w0.114: CPU1.AU32 v1(52.87,46.6) ; v1(38.99,20.32) 39.37,19.94 39.37,19.4 39.25,19.29 U18.A3
  INT8(V) w0.102: v1(52.87,46.6) 52.87,45.83 52.53,45.49 52.53,42.11 50,39.59 50,37.43 49.78,37.21 49.78,29.97 47.24,27.43 47.24,24.89 44.32,21.97 41.4,21.97 40.39,20.95 39.62,20.95 v1(38.99,20.32)
SOC_PWM1: length 36.6
  TOP w0.114: U18.B3 39.76,19.13 39.6,19.29 39.6,19.91 v1(40.01,20.32) ; CPU1.AT32 v1(53.58,46.6)
  INT8(V) w0.102: v1(53.58,46.6) 53.58,45.83 53.21,45.47 53.21,42.45 50.26,39.5 50.26,37.31 50.04,37.08 50.04,29.84 47.5,27.3 47.5,24 45.21,21.72 41.78,21.72 41.27,21.21 41.27,20.83 41.02,20.57 40.26,20.57 v1(40.01,20.32)
SOC_SIO_SPI_CLK: length 50.4
  TOP w0.114: CPU1.AY30 v1(51.45,48.58) ; U15.D3 29.71,18.91 30.23,19.43 v1(30.23,20.32)
  INT3(V) w0.102: v1(30.23,20.32) 30.23,19.3 30.99,18.54 38.61,18.54 39.5,19.43 39.5,22.61 40.01,23.11 40.64,23.11 43.31,25.78 43.31,39.62 44.2,40.51 44.96,40.51 46.99,42.55 46.99,47.37 47.75,48.13 51,48.13 v1(51.45,48.58)
SOC_SIO_SPI_CS1: length 51
  TOP w0.114: CPU1.AV32 51.8,47.09 CPU1.AV32 ; CPU1.AV32 v1(52.16,47.59) ; U15.A3 27.82,19.29 27.94,19.4 27.94,19.94 v1(27.56,20.32)
  INT8(V) w0.102: v1(27.56,20.32) 27.94,19.94 27.94,19.3 28.83,18.41 37.34,18.41 38.1,19.18 38.1,20.83 39.5,22.23 40.51,22.23 41.02,22.73 43.94,22.73 46.48,25.27 46.48,27.81 48.01,29.34 48.01,36.96 48.77,37.72 48.77,39.24 49.02,39.5 49.02,44.07 51.09,46.14 51.09,46.9 51.31,47.12 51.69,47.12 v1(52.16,47.59)
SOC_SIO_SPI_MISO: length 44.7
  TOP w0.114: v1(28.57,20.32) 28.17,19.91 28.17,19.29 28.33,19.13 28.33,18.91 ; CPU1.BA28 v1(50.02,48.58)
  INT8(V) w0.102: v1(28.57,20.32) 29.84,21.59 32.51,21.59 35.56,24.64 37.72,24.64 44.04,30.96 44.04,45.57 44.83,46.36 44.83,46.61 47.5,49.28 49.32,49.28 v1(50.02,48.58)
SOC_SIO_SPI_MOSI: length 44.9
  TOP w0.114: v1(29.59,20.32) 29.08,19.81 29.08,19.39 28.82,19.13 U15.C3 ; CPU1.AY28 v1(50.73,48.58)
  INT8(V) w0.102: v1(50.73,48.58) 50.29,48.13 49.15,48.13 48.96,48.33 48.96,48.83 48.77,49.02 47.62,49.02 45.09,46.48 45.09,45.97 44.83,45.72 44.83,31.37 37.85,24.38 36.58,24.38 33.4,21.21 30.48,21.21 v1(29.59,20.32)
SOC_SPI_CLK: length 5.7
  TOP w0.102: 71.75,51.57 71.62,51.57 71.37,51.82 70.87,51.82 70.81,51.76 70.05,51.76 69.97,51.67 69.7,51.67 69.41,51.96 CPU1.C22
  TOP w0.114: R98.2 74.07,51.56 73.95,51.44 73.53,51.44 73.4,51.57 71.75,51.57
SOC_SPI_CLK-R: length 59.6
  TOP w0.114: v1(35.81,65.53) 36.33,66.05 U4.E2 ; v1(76.45,56.01) 77.47,54.99 77.47,52.58 77.34,52.45 76.47,52.45 75.98,51.96 C69.2 R98.1
  INT3(V) w0.102: v1(76.45,56.01) 77.22,56.77 77.22,65.02 v1(76.71,65.53)
  INT4(H) w0.102: v1(35.81,65.53) 36.7,66.42 39.24,66.42 39.5,66.17 59.56,66.17 60.58,65.15 76.33,65.15 v1(76.71,65.53)
SOC_SPI_CS0B: length 5
  TOP w0.102: CPU1.C23 69.61,51.47 69.62,51.47 69.8,51.47 70.09,51.19 70.56,51.19 70.69,51.05 71.22,51.05 71.5,51.34 71.75,51.34
  TOP w0.114: R99.2 73.53,50.93 73.12,51.34 71.75,51.34
SOC_SPI_CS0B-R: length 60.2
  TOP w0.114: U4.D5 38.61,66.03 v1(38.61,65.53) ; R99.1 v1(75.69,50.93)
  INT3(V) w0.102: v1(75.69,50.93) 76.07,51.31 76.07,57.53 75.8,57.81 75.41,57.81 75.31,57.91 75.31,58.06 75.41,58.16 75.97,58.16 76.07,58.26 76.07,58.42 75.97,58.52 75.41,58.52 75.31,58.62 75.31,58.77 75.41,58.87 75.97,58.87 76.07,58.98 76.07,59.13 75.97,59.23 75.41,59.23 75.31,59.33 75.31,59.48 75.41,59.59 75.97,59.59 76.07,59.69 76.07,59.84 75.97,59.94 75.41,59.94 75.31,60.04 75.31,60.2 75.41,60.3 75.79,60.3 76.07,60.58 76.07,62.23 v1(76.71,62.86)
  INT4(H) w0.102: v1(38.61,65.53) 38.73,65.41 59.31,65.41 60.33,64.39 76.96,64.39 77.22,64.14 77.22,63.37 v1(76.71,62.86)
